# EAGLE board 14202-RedBoard-Panel (EAGLE 9.0.1), part 2 of 6
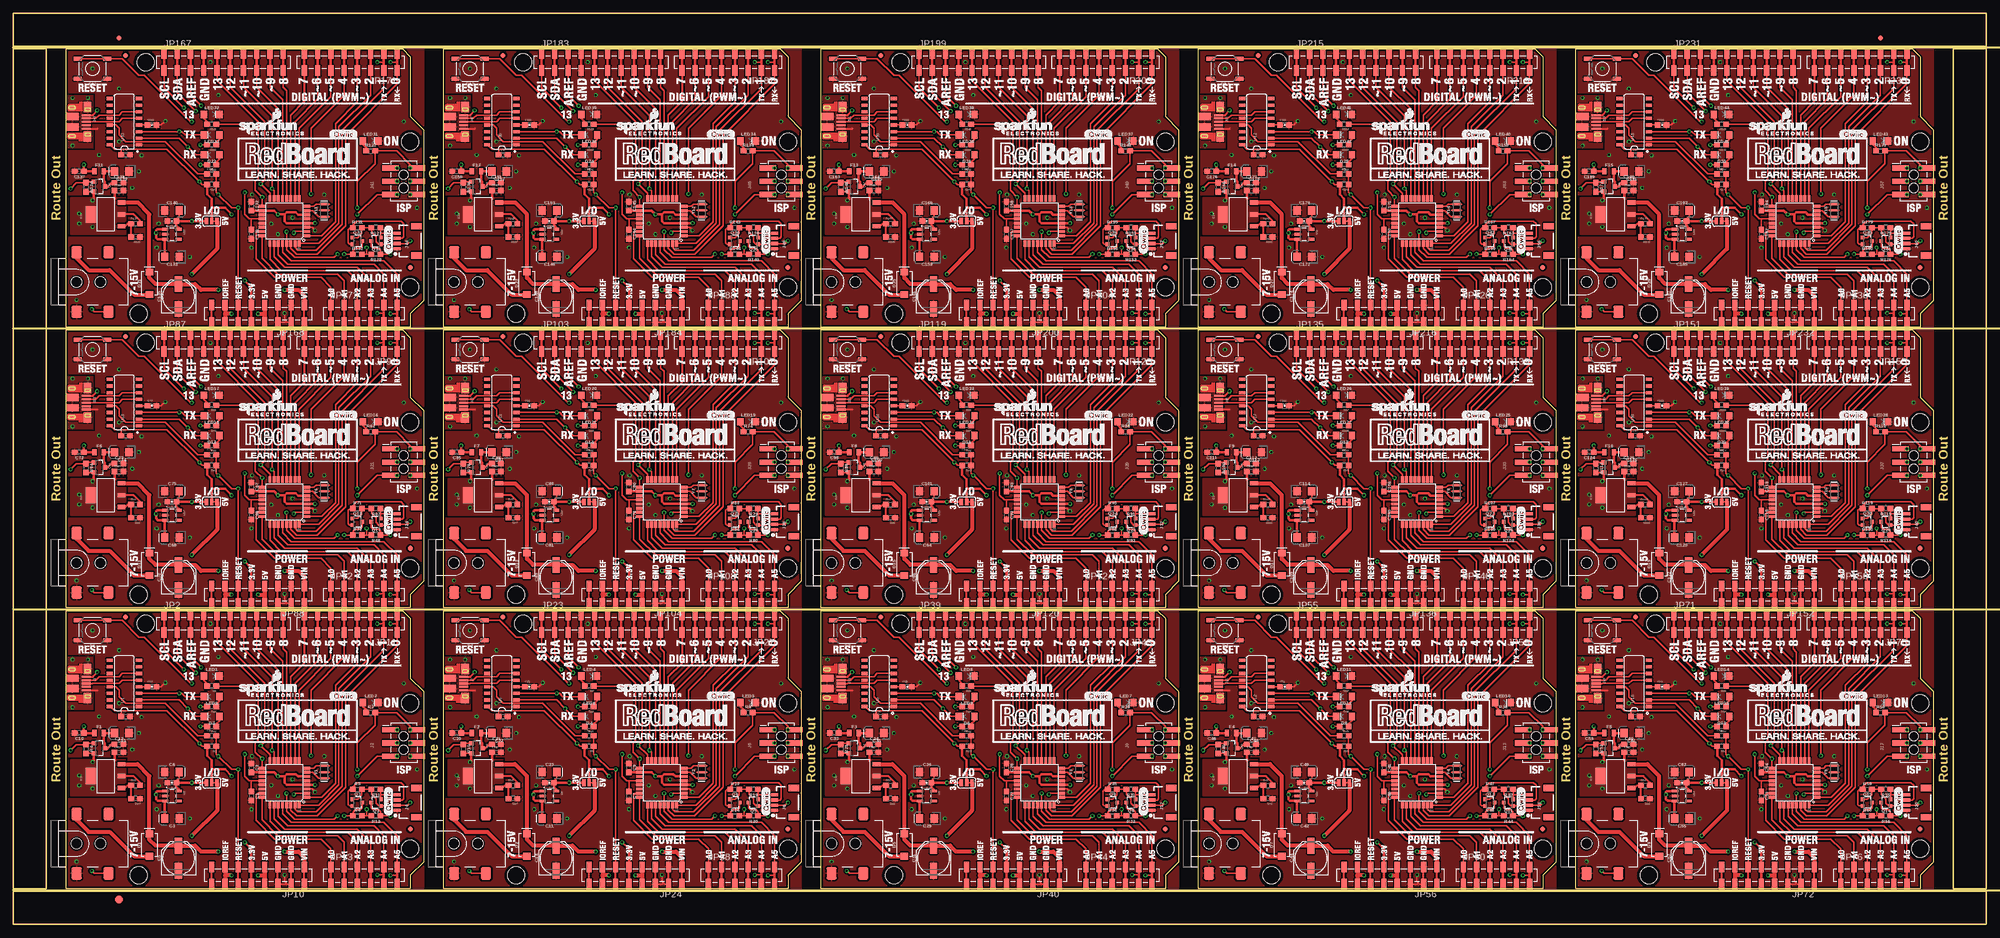
[diagram p0: board, top side]
## Placement (x,y rotation side) (continued)
TP57  TP-3x5  [PAD.03X.05]  365.76,86.11 0 bottom
TP58  TP-3x5  [PAD.03X.05]  363.22,91.19 0 bottom
TP59  TP-3x5  [PAD.03X.05]  363.22,88.65 0 bottom
TP60  TP-3x5  [PAD.03X.05]  363.22,86.11 0 bottom
TP61  TP-3x5  [PAD.03X.05]  76.2,145.03 0 bottom
TP62  TP-3x5  [PAD.03X.05]  76.2,142.49 0 bottom
TP63  TP-3x5  [PAD.03X.05]  76.2,139.95 0 bottom
TP64  TP-3x5  [PAD.03X.05]  73.66,145.03 0 bottom
TP65  TP-3x5  [PAD.03X.05]  73.66,142.49 0 bottom
TP66  TP-3x5  [PAD.03X.05]  73.66,139.95 0 bottom
TP67  TP-3x5  [PAD.03X.05]  148.59,145.03 0 bottom
TP68  TP-3x5  [PAD.03X.05]  148.59,142.49 0 bottom
TP69  TP-3x5  [PAD.03X.05]  148.59,139.95 0 bottom
TP70  TP-3x5  [PAD.03X.05]  146.05,145.03 0 bottom
TP71  TP-3x5  [PAD.03X.05]  146.05,142.49 0 bottom
TP72  TP-3x5  [PAD.03X.05]  146.05,139.95 0 bottom
TP73  TP-3x5  [PAD.03X.05]  220.98,145.03 0 bottom
TP74  TP-3x5  [PAD.03X.05]  220.98,142.49 0 bottom
TP75  TP-3x5  [PAD.03X.05]  220.98,139.95 0 bottom
TP76  TP-3x5  [PAD.03X.05]  218.44,145.03 0 bottom
TP77  TP-3x5  [PAD.03X.05]  218.44,142.49 0 bottom
TP78  TP-3x5  [PAD.03X.05]  218.44,139.95 0 bottom
TP79  TP-3x5  [PAD.03X.05]  293.37,145.03 0 bottom
TP80  TP-3x5  [PAD.03X.05]  293.37,142.49 0 bottom
TP81  TP-3x5  [PAD.03X.05]  293.37,139.95 0 bottom
TP82  TP-3x5  [PAD.03X.05]  290.83,145.03 0 bottom
TP83  TP-3x5  [PAD.03X.05]  290.83,142.49 0 bottom
TP84  TP-3x5  [PAD.03X.05]  290.83,139.95 0 bottom
TP85  TP-3x5  [PAD.03X.05]  365.76,145.03 0 bottom
TP86  TP-3x5  [PAD.03X.05]  365.76,142.49 0 bottom
TP87  TP-3x5  [PAD.03X.05]  365.76,139.95 0 bottom
TP88  TP-3x5  [PAD.03X.05]  363.22,145.03 0 bottom
TP89  TP-3x5  [PAD.03X.05]  363.22,142.49 0 bottom
TP90  TP-3x5  [PAD.03X.05]  363.22,139.95 0 bottom
U1  CH340C  [SO016]  21.34,46.23 90 top
U2  ATMEGA328P_TQFP  [TQFP32-08]  124.46,27.18 180 top
U3  AP2112-3.3V  [SOT23-5]  30.48,24.64 270 top
U4  ATMEGA328P_TQFP  [TQFP32-08]  52.07,27.18 180 top
U5  AP2112-3.3V  [SOT23-5]  102.87,24.64 270 top
U6  CH340C  [SO016]  93.73,46.23 90 top
U7  ATMEGA328P_TQFP  [TQFP32-08]  196.85,27.18 180 top
U8  AP2112-3.3V  [SOT23-5]  175.26,24.64 270 top
U9  CH340C  [SO016]  166.12,46.23 90 top
U10  ATMEGA328P_TQFP  [TQFP32-08]  269.24,27.18 180 top
U11  AP2112-3.3V  [SOT23-5]  247.65,24.64 270 top
U12  CH340C  [SO016]  238.51,46.23 90 top
U13  ATMEGA328P_TQFP  [TQFP32-08]  341.63,27.18 180 top
U14  AP2112-3.3V  [SOT23-5]  320.04,24.64 270 top
U15  CH340C  [SO016]  310.9,46.23 90 top
U16  ATMEGA328P_TQFP  [TQFP32-08]  52.07,81.03 180 top
U17  AP2112-3.3V  [SOT23-5]  30.48,78.49 270 top
U18  CH340C  [SO016]  21.34,100.08 90 top
U19  ATMEGA328P_TQFP  [TQFP32-08]  124.46,81.03 180 top
U20  AP2112-3.3V  [SOT23-5]  102.87,78.49 270 top
U21  CH340C  [SO016]  93.73,100.08 90 top
U22  ATMEGA328P_TQFP  [TQFP32-08]  196.85,81.03 180 top
U23  AP2112-3.3V  [SOT23-5]  175.26,78.49 270 top
U24  CH340C  [SO016]  166.12,100.08 90 top
U25  ATMEGA328P_TQFP  [TQFP32-08]  269.24,81.03 180 top
U26  AP2112-3.3V  [SOT23-5]  247.65,78.49 270 top
U27  CH340C  [SO016]  238.51,100.08 90 top
U28  ATMEGA328P_TQFP  [TQFP32-08]  341.63,81.03 180 top
U29  AP2112-3.3V  [SOT23-5]  320.04,78.49 270 top
U30  CH340C  [SO016]  310.9,100.08 90 top
U31  ATMEGA328P_TQFP  [TQFP32-08]  52.07,134.87 180 top
U32  AP2112-3.3V  [SOT23-5]  30.48,132.33 270 top
U33  CH340C  [SO016]  21.34,153.92 90 top
U34  ATMEGA328P_TQFP  [TQFP32-08]  124.46,134.87 180 top
U35  AP2112-3.3V  [SOT23-5]  102.87,132.33 270 top
U36  CH340C  [SO016]  93.73,153.92 90 top
U37  ATMEGA328P_TQFP  [TQFP32-08]  196.85,134.87 180 top
U38  AP2112-3.3V  [SOT23-5]  175.26,132.33 270 top
U39  CH340C  [SO016]  166.12,153.92 90 top
U40  ATMEGA328P_TQFP  [TQFP32-08]  269.24,134.87 180 top
U41  AP2112-3.3V  [SOT23-5]  247.65,132.33 270 top
U42  CH340C  [SO016]  238.51,153.92 90 top
U43  ATMEGA328P_TQFP  [TQFP32-08]  341.63,134.87 180 top
U44  AP2112-3.3V  [SOT23-5]  320.04,132.33 270 top
U45  CH340C  [SO016]  310.9,153.92 90 top
U$1  [(QWIIC)]  60.58,43.81 0 top
U$2  [(QWIIC)]  72.01,20.83 90 top
U$3  [(QWIIC)]  49.15,53.34 0 bottom
U$4  [J120]  70.87,18.16 90 bottom
U$5  OSHW-LOGOS  [OSHW-LOGO-S]  85.09,58.17 0 bottom
U$6  [(QWIIC)]  144.4,20.83 90 top
U$7  [(QWIIC)]  132.97,43.81 0 top
U$8  [(QWIIC)]  121.54,53.34 0 bottom
U$9  [J140]  61.98,18.03 90 bottom
U$10  [J120]  143.26,18.16 90 bottom
U$11  [J140]  134.37,18.03 90 bottom
U$12  OSHW-LOGOS  [OSHW-LOGO-S]  157.48,58.17 0 bottom
U$13  [(QWIIC)]  216.79,20.83 90 top
U$14  [(QWIIC)]  205.36,43.81 0 top
U$15  [(QWIIC)]  193.93,53.34 0 bottom
U$16  OSHW-LOGOS  [OSHW-LOGO-S]  12.7,58.17 0 bottom
U$17  [J120]  215.65,18.16 90 bottom
U$18  [J140]  206.76,18.03 90 bottom
U$19  OSHW-LOGOS  [OSHW-LOGO-S]  229.87,58.17 0 bottom
U$20  [(QWIIC)]  289.18,20.83 90 top
U$21  [(QWIIC)]  277.75,43.81 0 top
U$22  [(QWIIC)]  266.32,53.34 0 bottom
U$23  [J120]  288.04,18.16 90 bottom
U$24  [J140]  279.15,18.03 90 bottom
U$25  OSHW-LOGOS  [OSHW-LOGO-S]  302.26,58.17 0 bottom
U$26  [(QWIIC)]  361.57,20.83 90 top
U$27  [(QWIIC)]  350.14,43.81 0 top
U$28  [(QWIIC)]  338.71,53.34 0 bottom
U$29  [J120]  360.43,18.16 90 bottom
U$30  [J140]  351.54,18.03 90 bottom
U$31  OSHW-LOGOS  [OSHW-LOGO-S]  12.7,112.01 0 bottom
U$32  [(QWIIC)]  72.01,74.68 90 top
U$33  [(QWIIC)]  60.58,97.66 0 top
U$34  [(QWIIC)]  49.15,107.19 0 bottom
U$35  [J120]  70.87,72.01 90 bottom
U$36  [J140]  61.98,71.88 90 bottom
U$37  OSHW-LOGOS  [OSHW-LOGO-S]  85.09,112.01 0 bottom
U$38  [(QWIIC)]  144.4,74.68 90 top
U$39  [(QWIIC)]  132.97,97.66 0 top
U$40  [(QWIIC)]  121.54,107.19 0 bottom
U$41  [J120]  143.26,72.01 90 bottom
U$42  [J140]  134.37,71.88 90 bottom
U$43  OSHW-LOGOS  [OSHW-LOGO-S]  157.48,112.01 0 bottom
U$44  [(QWIIC)]  216.79,74.68 90 top
U$45  [(QWIIC)]  205.36,97.66 0 top
U$46  [(QWIIC)]  193.93,107.19 0 bottom
U$47  [J120]  215.65,72.01 90 bottom
U$48  [J140]  206.76,71.88 90 bottom
U$49  OSHW-LOGOS  [OSHW-LOGO-S]  229.87,112.01 0 bottom
U$50  [(QWIIC)]  289.18,74.68 90 top
U$51  [(QWIIC)]  277.75,97.66 0 top
U$52  [(QWIIC)]  266.32,107.19 0 bottom
U$53  [J120]  288.04,72.01 90 bottom
U$54  [J140]  279.15,71.88 90 bottom
U$55  OSHW-LOGOS  [OSHW-LOGO-S]  302.26,112.01 0 bottom
U$56  [(QWIIC)]  361.57,74.68 90 top
U$57  [(QWIIC)]  350.14,97.66 0 top
U$58  [(QWIIC)]  338.71,107.19 0 bottom
U$59  [J120]  360.43,72.01 90 bottom
U$60  [J140]  351.54,71.88 90 bottom
U$61  OSHW-LOGOS  [OSHW-LOGO-S]  12.7,165.86 0 bottom
U$62  [(QWIIC)]  72.01,128.52 90 top
U$63  [(QWIIC)]  60.58,151.51 0 top
U$64  [(QWIIC)]  49.15,161.04 0 bottom
U$65  [J120]  70.87,125.86 90 bottom
U$66  [J140]  61.98,125.73 90 bottom
U$67  OSHW-LOGOS  [OSHW-LOGO-S]  85.09,165.86 0 bottom
U$68  [(QWIIC)]  144.4,128.52 90 top
U$69  [(QWIIC)]  132.97,151.51 0 top
U$70  [(QWIIC)]  121.54,161.04 0 bottom
U$71  [J120]  143.26,125.86 90 bottom
U$72  [J140]  134.37,125.73 90 bottom
U$73  OSHW-LOGOS  [OSHW-LOGO-S]  157.48,165.86 0 bottom
U$74  [(QWIIC)]  216.79,128.52 90 top
U$75  [(QWIIC)]  205.36,151.51 0 top
U$76  [(QWIIC)]  193.93,161.04 0 bottom
U$77  [J120]  215.65,125.86 90 bottom
U$78  [J140]  206.76,125.73 90 bottom
U$79  OSHW-LOGOS  [OSHW-LOGO-S]  229.87,165.86 0 bottom
U$80  [(QWIIC)]  289.18,128.52 90 top
U$81  [(QWIIC)]  277.75,151.51 0 top
U$82  [(QWIIC)]  266.32,161.04 0 bottom
U$83  [J120]  288.04,125.86 90 bottom
U$84  [J140]  279.15,125.73 90 bottom
U$85  OSHW-LOGOS  [OSHW-LOGO-S]  302.26,165.86 0 bottom
U$86  [(QWIIC)]  361.57,128.52 90 top
U$87  [(QWIIC)]  350.14,151.51 0 top
U$88  [(QWIIC)]  338.71,161.04 0 bottom
U$89  [J120]  360.43,125.86 90 bottom
U$90  [J140]  351.54,125.73 90 bottom
Y1  16MHz  [RESONATOR-SMD-3.2X1.3]  59.69,29.21 90 top
Y2  16MHz  [RESONATOR-SMD-3.2X1.3]  132.08,29.21 90 top
Y3  16MHz  [RESONATOR-SMD-3.2X1.3]  204.47,29.21 90 top
Y4  16MHz  [RESONATOR-SMD-3.2X1.3]  276.86,29.21 90 top
Y5  16MHz  [RESONATOR-SMD-3.2X1.3]  349.25,29.21 90 top
Y6  16MHz  [RESONATOR-SMD-3.2X1.3]  59.69,83.06 90 top
Y7  16MHz  [RESONATOR-SMD-3.2X1.3]  132.08,83.06 90 top
Y8  16MHz  [RESONATOR-SMD-3.2X1.3]  204.47,83.06 90 top
Y9  16MHz  [RESONATOR-SMD-3.2X1.3]  276.86,83.06 90 top
Y10  16MHz  [RESONATOR-SMD-3.2X1.3]  349.25,83.06 90 top
Y11  16MHz  [RESONATOR-SMD-3.2X1.3]  59.69,136.91 90 top
Y12  16MHz  [RESONATOR-SMD-3.2X1.3]  132.08,136.91 90 top
Y13  16MHz  [RESONATOR-SMD-3.2X1.3]  204.47,136.91 90 top
Y14  16MHz  [RESONATOR-SMD-3.2X1.3]  276.86,136.91 90 top
Y15  16MHz  [RESONATOR-SMD-3.2X1.3]  349.25,136.91 90 top

## Library data of the parts
C1 C2 C4 C7-C10 C12 C13 C18-C21 C26-C28 C30 C32-C34 C39-C41 C43 C45-C47 C52-C54 C56 C58-C60 C65-C67 C69 C71-C73 C78-C80 C82 C84-C86 C91-C93 C95 C97-C99 C104-C106 C108 C110-C112 C117-C119 C121 C123-C125 C130-C132 C134 C136-C138 C143-C145 C147 C149-C151 C156-C158 C160 C162-C164 C169-C171 C173 C175-C177 C182-C184 C186 C188-C190 C195 = SparkFun-Capacitors; PROD_ID: CAP-00810
C3 C6 C11 C15 C22 C23 C29 C35 C36 C42 C48 C49 C55 C61 C62 C68 C74 C75 C81 C87 C88 C94 C100 C101 C107 C113 C114 C120 C126 C127 C133 C139 C140 C146 C152 C153 C159 C165 C166 C172 C178 C179 C185 C191 C192 = SparkFun-Capacitors; PROD_ID: CAP-00811
C5 C14 C31 C44 C57 C70 C83 C96 C109 C122 C135 C148 C161 C174 C187 = SparkFun-Capacitors; PROD_ID: CAP-08478
C16 C24 C37 C50 C63 C76 C89 C102 C115 C128 C141 C154 C167 C180 C193 = SparkFun-Capacitors; PROD_ID: CAP-00868
C17 C25 C38 C51 C64 C77 C90 C103 C116 C129 C142 C155 C168 C181 C194 = SparkFun-Capacitors; PROD_ID: CAP-00867
D1 D2 D5 D7 D9 D11 D13 D15 D17 D19 D21 D23 D25 D27 D29 = SparkFun-DiscreteSemi; PROD_ID: DIO-08053
D3 D4 D6 D8 D10 D12 D14 D16 D18 D20 D22 D24 D26 D28 D30 = SparkFun-LED; PROD_ID: DIO-09909
E$1 E$2 JP1 JP7 JP25 JP26 JP41 JP42 JP57 JP58 JP73 JP74 JP89 JP90 JP105 JP106 JP121 JP122 JP137 JP138 JP153 JP154 JP169 JP170 JP185 JP186 JP201 JP202 JP217 JP218 JP233 JP234 U$5 U$12 U$16 U$19 U$25 U$31 U$37 U$43 U$49 U$55 U$61 U$67 U$73 U$79 U$85 = SparkFun-Aesthetics
E$3 = SparkFun-Retired
F1-F15 = SparkFun-Fuses
I/O I/O1-I/O14 JP12 JP14 JP29 JP30 JP45 JP46 JP61 JP62 JP77 JP78 JP93 JP94 JP109 JP110 JP125 JP126 JP141 JP142 JP157 JP158 JP173 JP174 JP189 JP190 JP205 JP206 JP221 JP222 JP237 JP238 = SparkFun-Jumpers
IC1-IC15 = Testing; PROD_ID: VREG-08170
J1 J7 J11 J15 J19 J23 J27 J31 J35 J39 J43 J47 J51 J55 J59 = SparkFun-Connectors; PROD_ID: CONN-13711
J2 J5 J9 J13 J17 J21 J25 J29 J33 J37 J41 J45 J49 J53 J57 = SparkFun-Connectors; PROD_ID: CONN-11415
J3 J6 J10 J14 J18 J22 J26 J30 J34 J38 J42 J46 J50 J54 J58 = Testing; PROD_ID: CONN-08106
J4 J8 J12 J16 J20 J24 J28 J32 J36 J40 J44 J48 J52 J56 J60 = SparkFun-Connectors; PROD_ID: CONN-13694
JP2 JP23 JP39 JP55 JP71 JP87 JP103 JP119 JP135 JP151 JP167 JP183 JP199 JP215 JP231 = SparkFun-Connectors; PROD_ID: CONN-11219
JP3-JP6 JP8 JP9 JP15-JP22 JP31-JP38 JP47-JP54 JP63-JP70 JP79-JP86 JP95-JP102 JP111-JP118 JP127-JP134 JP143-JP150 JP159-JP166 JP175-JP182 JP191-JP198 JP207-JP214 JP223-JP230 JP239 JP240 = SparkFun
JP10 JP24 JP40 JP56 JP72 JP88 JP104 JP120 JP136 JP152 JP168 JP184 JP200 JP216 JP232 = SparkFun-Connectors; PROD_ID: CONN-10204; SF_ID: PRT-11543
JP11 JP27 JP43 JP59 JP75 JP91 JP107 JP123 JP139 JP155 JP171 JP187 JP203 JP219 JP235 = SparkFun-Connectors; PROD_ID: CONN-10204
JP13 JP28 JP44 JP60 JP76 JP92 JP108 JP124 JP140 JP156 JP172 JP188 JP204 JP220 JP236 = SparkFun-Connectors; PROD_ID: CONN-10203
LED1 LED4 LED8 LED11 LED14 LED17 LED20 LED23 LED26 LED29 LED32 LED35 LED38 LED41 LED44 = SparkFun-LED; PROD_ID: DIO-09911
LED2 LED3 LED7 LED10 LED13 LED16 LED19 LED22 LED25 LED28 LED31 LED34 LED37 LED40 LED43 = SparkFun-LED; PROD_ID: DIO-09910
LED5 LED6 LED9 LED12 LED15 LED18 LED21 LED24 LED27 LED30 LED33 LED36 LED39 LED42 LED45 = SparkFun-LED; PROD_ID: DIO-00862
Q1 Q4 Q7 Q10 Q13 Q16 Q19 Q22 Q25 Q28 Q31 Q34 Q37 Q40 Q43 = SparkFun-DiscreteSemi; PROD_ID: TRANS-08285
Q2 Q5 Q8 Q11 Q14 Q17 Q20 Q23 Q26 Q29 Q32 Q35 Q38 Q41 Q44 = SparkFun-DiscreteSemi; PROD_ID: TRANS-11151; VALUE: 310mA/60V/1.6Ω
Q3 Q6 Q9 Q12 Q15 Q18 Q21 Q24 Q27 Q30 Q33 Q36 Q39 Q42 Q45 = SparkFun-DiscreteSemi; PROD_ID: TRANS-11151
R1 R7 R12 R16 R21 R22 R25 R33 R34 R37 R45 R46 R49 R57 R58 R61 R69 R70 R73 R81 R82 R85 R93 R94 R97 R105 R106 R109 R117 R118 R121 R129 R130 R133 R141 R142 R145 R153 R154 R157 R165 R166 R169 R177 R178 = SparkFun-Resistors; PROD_ID: RES-07857
R2-R4 R8-R10 R26-R28 R38-R40 R50-R52 R62-R64 R74-R76 R86-R88 R98-R100 R110-R112 R122-R124 R134-R136 R146-R148 R158-R160 R170-R172 = SparkFun-Resistors; PROD_ID: RES-00824
R5 R6 R11 R13 R19 R20 R23 R24 R31 R32 R35 R36 R43 R44 R47 R48 R55 R56 R59 R60 R67 R68 R71 R72 R79 R80 R83 R84 R91 R92 R95 R96 R103 R104 R107 R108 R115 R116 R119 R120 R127 R128 R131 R132 R139 R140 R143 R144 R151 R152 R155 R156 R163 R164 R167 R168 R175 R176 R179 R180 = SparkFun-Resistors; PROD_ID: RES-08272
R14 R17 R29 R41 R53 R65 R77 R89 R101 R113 R125 R137 R149 R161 R173 = SparkFun-Resistors; PROD_ID: RES-07850
R15 R18 R30 R42 R54 R66 R78 R90 R102 R114 R126 R138 R150 R162 R174 = SparkFun-Resistors; PROD_ID: RES-07849
S1-S15 = SparkFun-Switches; PROD_ID: SWCH-14139
TP1-TP4 TP6-TP10 TP12-TP16 TP18-TP22 TP24-TP28 TP30-TP34 TP36-TP40 TP42-TP46 TP48-TP52 TP54-TP58 TP60-TP64 TP66-TP70 TP72-TP76 TP78-TP82 TP84-TP88 TP90 = SparkFun-Connectors
TP5 TP11 TP17 TP23 TP29 TP35 TP41 TP47 TP53 TP59 TP65 TP71 TP77 TP83 TP89 = SparkFun-Passives
U1 U6 U9 U12 U15 U18 U21 U24 U27 U30 U33 U36 U39 U42 U45 = SparkFun-IC-Comms; PROD_ID: IC-14038
U2 U4 U7 U10 U13 U16 U19 U22 U25 U28 U31 U34 U37 U40 U43 = SparkFun-IC-Microcontroller; PROD_ID: IC-09069
U3 U5 U8 U11 U14 U17 U20 U23 U26 U29 U32 U35 U38 U41 U44 = SparkFun-PowerIC; PROD_ID: VREG-12457
U$1-U$3 U$6-U$8 U$13-U$15 U$20-U$22 U$26-U$28 U$32-U$34 U$38-U$40 U$44-U$46 U$50-U$52 U$56-U$58 U$62-U$64 U$68-U$70 U$74-U$76 U$80-U$82 U$86-U$88 = Labels-0_04
U$4 U$10 U$17 U$23 U$29 U$35 U$41 U$47 U$53 U$59 U$65 U$71 U$77 U$83 U$89 = buzzard_labels_J12
U$9 U$11 U$18 U$24 U$30 U$36 U$42 U$48 U$54 U$60 U$66 U$72 U$78 U$84 U$90 = buzzard_labels_J14
Y1-Y15 = SparkFun-Clocks; PROD_ID: XTAL-08900

## Nets
3.3V: C6.+ C16.1 I/O.1 J4.2 JP10.5 Q2.1 Q3.1 R5.2 R11.2 U3.5
3.3V1: C23.+ C24.1 I/O1.1 J8.2 JP24.5 Q5.1 Q6.1 R19.2 R23.2 U5.5
3.3V2: C36.+ C37.1 I/O2.1 J12.2 JP40.5 Q8.1 Q9.1 R31.2 R35.2 U8.5
3.3V3: C49.+ C50.1 I/O3.1 J16.2 JP56.5 Q11.1 Q12.1 R43.2 R47.2 U11.5
3.3V4: C62.+ C63.1 I/O4.1 J20.2 JP72.5 Q14.1 Q15.1 R55.2 R59.2 U14.5
3.3V5: C75.+ C76.1 I/O5.1 J24.2 JP88.5 Q17.1 Q18.1 R67.2 R71.2 U17.5
3.3V6: C88.+ C89.1 I/O6.1 J28.2 JP104.5 Q20.1 Q21.1 R79.2 R83.2 U20.5
3.3V7: C101.+ C102.1 I/O7.1 J32.2 JP120.5 Q23.1 Q24.1 R91.2 R95.2 U23.5
3.3V8: C114.+ C115.1 I/O8.1 J36.2 JP136.5 Q26.1 Q27.1 R103.2 R107.2 U26.5
3.3V9: C127.+ C128.1 I/O9.1 J40.2 JP152.5 Q29.1 Q30.1 R115.2 R119.2 U29.5
3.3V10: C140.+ C141.1 I/O10.1 J44.2 JP168.5 Q32.1 Q33.1 R127.2 R131.2 U32.5
3.3V11: C153.+ C154.1 I/O11.1 J48.2 JP184.5 Q35.1 Q36.1 R139.2 R143.2 U35.5
3.3V12: C166.+ C167.1 I/O12.1 J52.2 JP200.5 Q38.1 Q39.1 R151.2 R155.2 U38.5
3.3V13: C179.+ C180.1 I/O13.1 J56.2 JP216.5 Q41.1 Q42.1 R163.2 R167.2 U41.5
3.3V14: C192.+ C193.1 I/O14.1 J60.2 JP232.5 Q44.1 Q45.1 R175.2 R179.2 U44.5
5V: C3.+ C4.1 I/O.3 IC3.2 IC3.4 JP10.4 JP10.7 Q1.2 R4.2 R15.2 U3.1 U3.3
5V1: C11.+ C13.1 I/O1.3 IC1.2 IC1.4 JP24.4 JP24.7 Q4.2 R10.2 R18.2 U5.1 U5.3
5V2: C29.+ C30.1 I/O2.3 IC2.2 IC2.4 JP40.4 JP40.7 Q7.2 R28.2 R30.2 U8.1 U8.3
5V3: C42.+ C43.1 I/O3.3 IC4.2 IC4.4 JP56.4 JP56.7 Q10.2 R40.2 R42.2 U11.1 U11.3
5V4: C55.+ C56.1 I/O4.3 IC5.2 IC5.4 JP72.4 JP72.7 Q13.2 R52.2 R54.2 U14.1 U14.3
5V5: C68.+ C69.1 I/O5.3 IC6.2 IC6.4 JP88.4 JP88.7 Q16.2 R64.2 R66.2 U17.1 U17.3
5V6: C81.+ C82.1 I/O6.3 IC7.2 IC7.4 JP104.4 JP104.7 Q19.2 R76.2 R78.2 U20.1 U20.3
5V7: C94.+ C95.1 I/O7.3 IC8.2 IC8.4 JP120.4 JP120.7 Q22.2 R88.2 R90.2 U23.1 U23.3
5V8: C107.+ C108.1 I/O8.3 IC9.2 IC9.4 JP136.4 JP136.7 Q25.2 R100.2 R102.2 U26.1 U26.3
5V9: C120.+ C121.1 I/O9.3 IC10.2 IC10.4 JP152.4 JP152.7 Q28.2 R112.2 R114.2 U29.1 U29.3
5V10: C133.+ C134.1 I/O10.3 IC11.2 IC11.4 JP168.4 JP168.7 Q31.2 R124.2 R126.2 U32.1 U32.3
5V11: C146.+ C147.1 I/O11.3 IC12.2 IC12.4 JP184.4 JP184.7 Q34.2 R136.2 R138.2 U35.1 U35.3
5V12: C159.+ C160.1 I/O12.3 IC13.2 IC13.4 JP200.4 JP200.7 Q37.2 R148.2 R150.2 U38.1 U38.3
5V13: C172.+ C173.1 I/O13.3 IC14.2 IC14.4 JP216.4 JP216.7 Q40.2 R160.2 R162.2 U41.1 U41.3
5V14: C185.+ C186.1 I/O14.3 IC15.2 IC15.4 JP232.4 JP232.7 Q43.2 R172.2 R174.2 U44.1 U44.3
!DTR: C8.1 U1.13
!DTR1: C19.1 U6.13
!DTR2: C32.1 U9.13
!DTR3: C45.1 U12.13
!DTR4: C58.1 U15.13
!DTR5: C71.1 U18.13
!DTR6: C84.1 U21.13
!DTR7: C97.1 U24.13
!DTR8: C110.1 U27.13
!DTR9: C123.1 U30.13
!DTR10: C136.1 U33.13
!DTR11: C149.1 U36.13
!DTR12: C162.1 U39.13
!DTR13: C175.1 U42.13
!DTR14: C188.1 U45.13
AD0: JP13.1A JP13.1B U4.23
AD1: JP13.2A JP13.2B U4.24
AD2: JP13.3A JP13.3B U4.25
AD3: JP13.4A JP13.4B U4.26
AD4: JP28.1A JP28.1B U2.23
AD4/SDA: JP2.2A JP2.2B JP13.5A JP13.5B JP14.2 U4.27
AD4/SDA1: JP23.2A JP23.2B JP28.5A JP28.5B JP30.2 U2.27
AD4/SDA2: JP39.2A JP39.2B JP44.5A JP44.5B JP46.2 U7.27
AD4/SDA3: JP55.2A JP55.2B JP60.5A JP60.5B JP62.2 U10.27
AD4/SDA4: JP71.2A JP71.2B JP76.5A JP76.5B JP78.2 U13.27
AD4/SDA5: JP87.2A JP87.2B JP92.5A JP92.5B JP94.2 U16.27
AD4/SDA6: JP103.2A JP103.2B JP108.5A JP108.5B JP110.2 U19.27
AD4/SDA7: JP119.2A JP119.2B JP124.5A JP124.5B JP126.2 U22.27
AD4/SDA8: JP135.2A JP135.2B JP140.5A JP140.5B JP142.2 U25.27
AD4/SDA9: JP151.2A JP151.2B JP156.5A JP156.5B JP158.2 U28.27
AD4/SDA10: JP167.2A JP167.2B JP172.5A JP172.5B JP174.2 U31.27
AD4/SDA11: JP183.2A JP183.2B JP188.5A JP188.5B JP190.2 U34.27
AD4/SDA12: JP199.2A JP199.2B JP204.5A JP204.5B JP206.2 U37.27
AD4/SDA13: JP215.2A JP215.2B JP220.5A JP220.5B JP222.2 U40.27
AD4/SDA14: JP231.2A JP231.2B JP236.5A JP236.5B JP238.2 U43.27
AD5: JP28.2A JP28.2B U2.24
AD5/SCL: JP2.1A JP2.1B JP12.2 JP13.6A JP13.6B U4.28
AD5/SCL1: JP23.1A JP23.1B JP28.6A JP28.6B JP29.2 U2.28
AD5/SCL2: JP39.1A JP39.1B JP44.6A JP44.6B JP45.2 U7.28
AD5/SCL3: JP55.1A JP55.1B JP60.6A JP60.6B JP61.2 U10.28
AD5/SCL4: JP71.1A JP71.1B JP76.6A JP76.6B JP77.2 U13.28
AD5/SCL5: JP87.1A JP87.1B JP92.6A JP92.6B JP93.2 U16.28
AD5/SCL6: JP103.1A JP103.1B JP108.6A JP108.6B JP109.2 U19.28
AD5/SCL7: JP119.1A JP119.1B JP124.6A JP124.6B JP125.2 U22.28
AD5/SCL8: JP135.1A JP135.1B JP140.6A JP140.6B JP141.2 U25.28
AD5/SCL9: JP151.1A JP151.1B JP156.6A JP156.6B JP157.2 U28.28
AD5/SCL10: JP167.1A JP167.1B JP172.6A JP172.6B JP173.2 U31.28
AD5/SCL11: JP183.1A JP183.1B JP188.6A JP188.6B JP189.2 U34.28
AD5/SCL12: JP199.1A JP199.1B JP204.6A JP204.6B JP205.2 U37.28
AD5/SCL13: JP215.1A JP215.1B JP220.6A JP220.6B JP221.2 U40.28
AD5/SCL14: JP231.1A JP231.1B JP236.6A JP236.6B JP237.2 U43.28
AD6: JP28.3A JP28.3B U2.25
AD7: JP28.4A JP28.4B U2.26
AD8: JP44.1A JP44.1B U7.23
AD9: JP44.2A JP44.2B U7.24
AD10: JP44.3A JP44.3B U7.25
AD11: JP44.4A JP44.4B U7.26
AD12: JP60.1A JP60.1B U10.23
AD13: JP60.2A JP60.2B U10.24
AD14: JP60.3A JP60.3B U10.25
AD15: JP60.4A JP60.4B U10.26
AD16: JP76.1A JP76.1B U13.23
AD17: JP76.2A JP76.2B U13.24
AD18: JP76.3A JP76.3B U13.25
AD19: JP76.4A JP76.4B U13.26
AD20: JP92.1A JP92.1B U16.23
AD21: JP92.2A JP92.2B U16.24
AD22: JP92.3A JP92.3B U16.25
AD23: JP92.4A JP92.4B U16.26
AD24: JP108.1A JP108.1B U19.23
AD25: JP108.2A JP108.2B U19.24
AD26: JP108.3A JP108.3B U19.25
AD27: JP108.4A JP108.4B U19.26
AD28: JP124.1A JP124.1B U22.23
AD29: JP124.2A JP124.2B U22.24
AD30: JP124.3A JP124.3B U22.25
AD31: JP124.4A JP124.4B U22.26
AD32: JP140.1A JP140.1B U25.23
AD33: JP140.2A JP140.2B U25.24
AD34: JP140.3A JP140.3B U25.25
AD35: JP140.4A JP140.4B U25.26
AD36: JP156.1A JP156.1B U28.23
AD37: JP156.2A JP156.2B U28.24
AD38: JP156.3A JP156.3B U28.25
AD39: JP156.4A JP156.4B U28.26
AD40: JP172.1A JP172.1B U31.23
AD41: JP172.2A JP172.2B U31.24
AD42: JP172.3A JP172.3B U31.25
AD43: JP172.4A JP172.4B U31.26
AD44: JP188.1A JP188.1B U34.23
AD45: JP188.2A JP188.2B U34.24
AD46: JP188.3A JP188.3B U34.25
AD47: JP188.4A JP188.4B U34.26
AD48: JP204.1A JP204.1B U37.23
AD49: JP204.2A JP204.2B U37.24
AD50: JP204.3A JP204.3B U37.25
AD51: JP204.4A JP204.4B U37.26
AD52: JP220.1A JP220.1B U40.23
AD53: JP220.2A JP220.2B U40.24
AD54: JP220.3A JP220.3B U40.25
AD55: JP220.4A JP220.4B U40.26
AD56: JP236.1A JP236.1B U43.23
AD57: JP236.2A JP236.2B U43.24
AD58: JP236.3A JP236.3B U43.25
AD59: JP236.4A JP236.4B U43.26
AREF: C1.1 JP2.3A JP2.3B U4.20
AREF1: C7.1 JP23.3A JP23.3B U2.20
AREF2: C27.1 JP39.3A JP39.3B U7.20
AREF3: C40.1 JP55.3A JP55.3B U10.20
AREF4: C53.1 JP71.3A JP71.3B U13.20
AREF5: C66.1 JP87.3A JP87.3B U16.20
AREF6: C79.1 JP103.3A JP103.3B U19.20
AREF7: C92.1 JP119.3A JP119.3B U22.20
AREF8: C105.1 JP135.3A JP135.3B U25.20
AREF9: C118.1 JP151.3A JP151.3B U28.20
AREF10: C131.1 JP167.3A JP167.3B U31.20
AREF11: C144.1 JP183.3A JP183.3B U34.20
AREF12: C157.1 JP199.3A JP199.3B U37.20
AREF13: C170.1 JP215.3A JP215.3B U40.20
AREF14: C183.1 JP231.3A JP231.3B U43.20
GND: C1.2 C2.1 C3.- C4.2 C5.- C6.- C10.2 C12.2 C15.- C16.2 C17.2 C18.2 J1.GND J2.6 J3.GND J4.1 JP2.4A JP2.4B JP10.2 JP10.3 LED1.C LED2.C R14.1 S1.1 S1.2 TP3.P$1 U1.1 U3.2 U4.3 U4.5 U4.21 Y1.2
GND1: C7.2 C9.1 C11.- C13.2 C14.- C20.2 C21.2 C22.- C23.- C24.2 C25.2 C26.2 J5.6 J6.GND J7.GND J8.1 JP23.4A JP23.4B JP24.2 JP24.3 LED3.C LED4.C R17.1 S2.1 S2.2 TP9.P$1 U2.3 U2.5 U2.21 U5.2 U6.1 Y2.2
GND2: C27.2 C28.1 C29.- C30.2 C31.- C33.2 C34.2 C35.- C36.- C37.2 C38.2 C39.2 J9.6 J10.GND J11.GND J12.1 JP39.4A JP39.4B JP40.2 JP40.3 LED7.C LED8.C R29.1 S3.1 S3.2 TP15.P$1 U7.3 U7.5 U7.21 U8.2 U9.1 Y3.2
GND3: C40.2 C41.1 C42.- C43.2 C44.- C46.2 C47.2 C48.- C49.- C50.2 C51.2 C52.2 J13.6 J14.GND J15.GND J16.1 JP55.4A JP55.4B JP56.2 JP56.3 LED10.C LED11.C R41.1 S4.1 S4.2 TP21.P$1 U10.3 U10.5 U10.21 U11.2 U12.1 Y4.2
GND4: C53.2 C54.1 C55.- C56.2 C57.- C59.2 C60.2 C61.- C62.- C63.2 C64.2 C65.2 J17.6 J18.GND J19.GND J20.1 JP71.4A JP71.4B JP72.2 JP72.3 LED13.C LED14.C R53.1 S5.1 S5.2 TP27.P$1 U13.3 U13.5 U13.21 U14.2 U15.1 Y5.2
GND5: C66.2 C67.1 C68.- C69.2 C70.- C72.2 C73.2 C74.- C75.- C76.2 C77.2 C78.2 J21.6 J22.GND J23.GND J24.1 JP87.4A JP87.4B JP88.2 JP88.3 LED16.C LED17.C R65.1 S6.1 S6.2 TP33.P$1 U16.3 U16.5 U16.21 U17.2 U18.1 Y6.2
GND6: C79.2 C80.1 C81.- C82.2 C83.- C85.2 C86.2 C87.- C88.- C89.2 C90.2 C91.2 J25.6 J26.GND J27.GND J28.1 JP103.4A JP103.4B JP104.2 JP104.3 LED19.C LED20.C R77.1 S7.1 S7.2 TP39.P$1 U19.3 U19.5 U19.21 U20.2 U21.1 Y7.2
GND7: C92.2 C93.1 C94.- C95.2 C96.- C98.2 C99.2 C100.- C101.- C102.2 C103.2 C104.2 J29.6 J30.GND J31.GND J32.1 JP119.4A JP119.4B JP120.2 JP120.3 LED22.C LED23.C R89.1 S8.1 S8.2 TP45.P$1 U22.3 U22.5 U22.21 U23.2 U24.1 Y8.2
GND8: C105.2 C106.1 C107.- C108.2 C109.- C111.2 C112.2 C113.- C114.- C115.2 C116.2 C117.2 J33.6 J34.GND J35.GND J36.1 JP135.4A JP135.4B JP136.2 JP136.3 LED25.C LED26.C R101.1 S9.1 S9.2 TP51.P$1 U25.3 U25.5 U25.21 U26.2 U27.1 Y9.2
GND9: C118.2 C119.1 C120.- C121.2 C122.- C124.2 C125.2 C126.- C127.- C128.2 C129.2 C130.2 J37.6 J38.GND J39.GND J40.1 JP151.4A JP151.4B JP152.2 JP152.3 LED28.C LED29.C R113.1 S10.1 S10.2 TP57.P$1 U28.3 U28.5 U28.21 U29.2 U30.1 Y10.2
GND10: C131.2 C132.1 C133.- C134.2 C135.- C137.2 C138.2 C139.- C140.- C141.2 C142.2 C143.2 J41.6 J42.GND J43.GND J44.1 JP167.4A JP167.4B JP168.2 JP168.3 LED31.C LED32.C R125.1 S11.1 S11.2 TP63.P$1 U31.3 U31.5 U31.21 U32.2 U33.1 Y11.2
GND11: C144.2 C145.1 C146.- C147.2 C148.- C150.2 C151.2 C152.- C153.- C154.2 C155.2 C156.2 J45.6 J46.GND J47.GND J48.1 JP183.4A JP183.4B JP184.2 JP184.3 LED34.C LED35.C R137.1 S12.1 S12.2 TP69.P$1 U34.3 U34.5 U34.21 U35.2 U36.1 Y12.2
GND12: C157.2 C158.1 C159.- C160.2 C161.- C163.2 C164.2 C165.- C166.- C167.2 C168.2 C169.2 J49.6 J50.GND J51.GND J52.1 JP199.4A JP199.4B JP200.2 JP200.3 LED37.C LED38.C R149.1 S13.1 S13.2 TP75.P$1 U37.3 U37.5 U37.21 U38.2 U39.1 Y13.2
GND13: C170.2 C171.1 C172.- C173.2 C174.- C176.2 C177.2 C178.- C179.- C180.2 C181.2 C182.2 J53.6 J54.GND J55.GND J56.1 JP215.4A JP215.4B JP216.2 JP216.3 LED40.C LED41.C R161.1 S14.1 S14.2 TP81.P$1 U40.3 U40.5 U40.21 U41.2 U42.1 Y14.2
GND14: C183.2 C184.1 C185.- C186.2 C187.- C189.2 C190.2 C191.- C192.- C193.2 C194.2 C195.2 J57.6 J58.GND J59.GND J60.1 JP231.4A JP231.4B JP232.2 JP232.3 LED43.C LED44.C R173.1 S15.1 S15.2 TP87.P$1 U43.3 U43.5 U43.21 U44.2 U45.1 Y15.2
INSERT: J3.P$4 Q1.1 R4.1
INSERT1: J6.P$4 Q4.1 R10.1
INSERT2: J10.P$4 Q7.1 R28.1
INSERT3: J14.P$4 Q10.1 R40.1
INSERT4: J18.P$4 Q13.1 R52.1
INSERT5: J22.P$4 Q16.1 R64.1
INSERT6: J26.P$4 Q19.1 R76.1
INSERT7: J30.P$4 Q22.1 R88.1
INSERT8: J34.P$4 Q25.1 R100.1
INSERT9: J38.P$4 Q28.1 R112.1
INSERT10: J42.P$4 Q31.1 R124.1
INSERT11: J46.P$4 Q34.1 R136.1
INSERT12: J50.P$4 Q37.1 R148.1
INSERT13: J54.P$4 Q40.1 R160.1
INSERT14: J58.P$4 Q43.1 R172.1
IO1: JP27.3A JP27.3B U2.32
IO2: JP11.3A JP11.3B U4.32
IO3: JP11.4A JP11.4B U4.1
IO4: JP11.5A JP11.5B U4.2
IO5: JP11.6A JP11.6B U4.9
IO6: JP11.7A JP11.7B U4.10
IO7: JP11.8A JP11.8B U4.11
IO8: JP2.10A JP2.10B U4.12
IO9: JP2.9A JP2.9B U4.13
IO10: JP27.4A JP27.4B U2.1
IO11: JP27.5A JP27.5B U2.2
IO12: JP27.6A JP27.6B U2.9